# Altium PCB MB1936.PcbDoc (part 8 of 13) (continued)
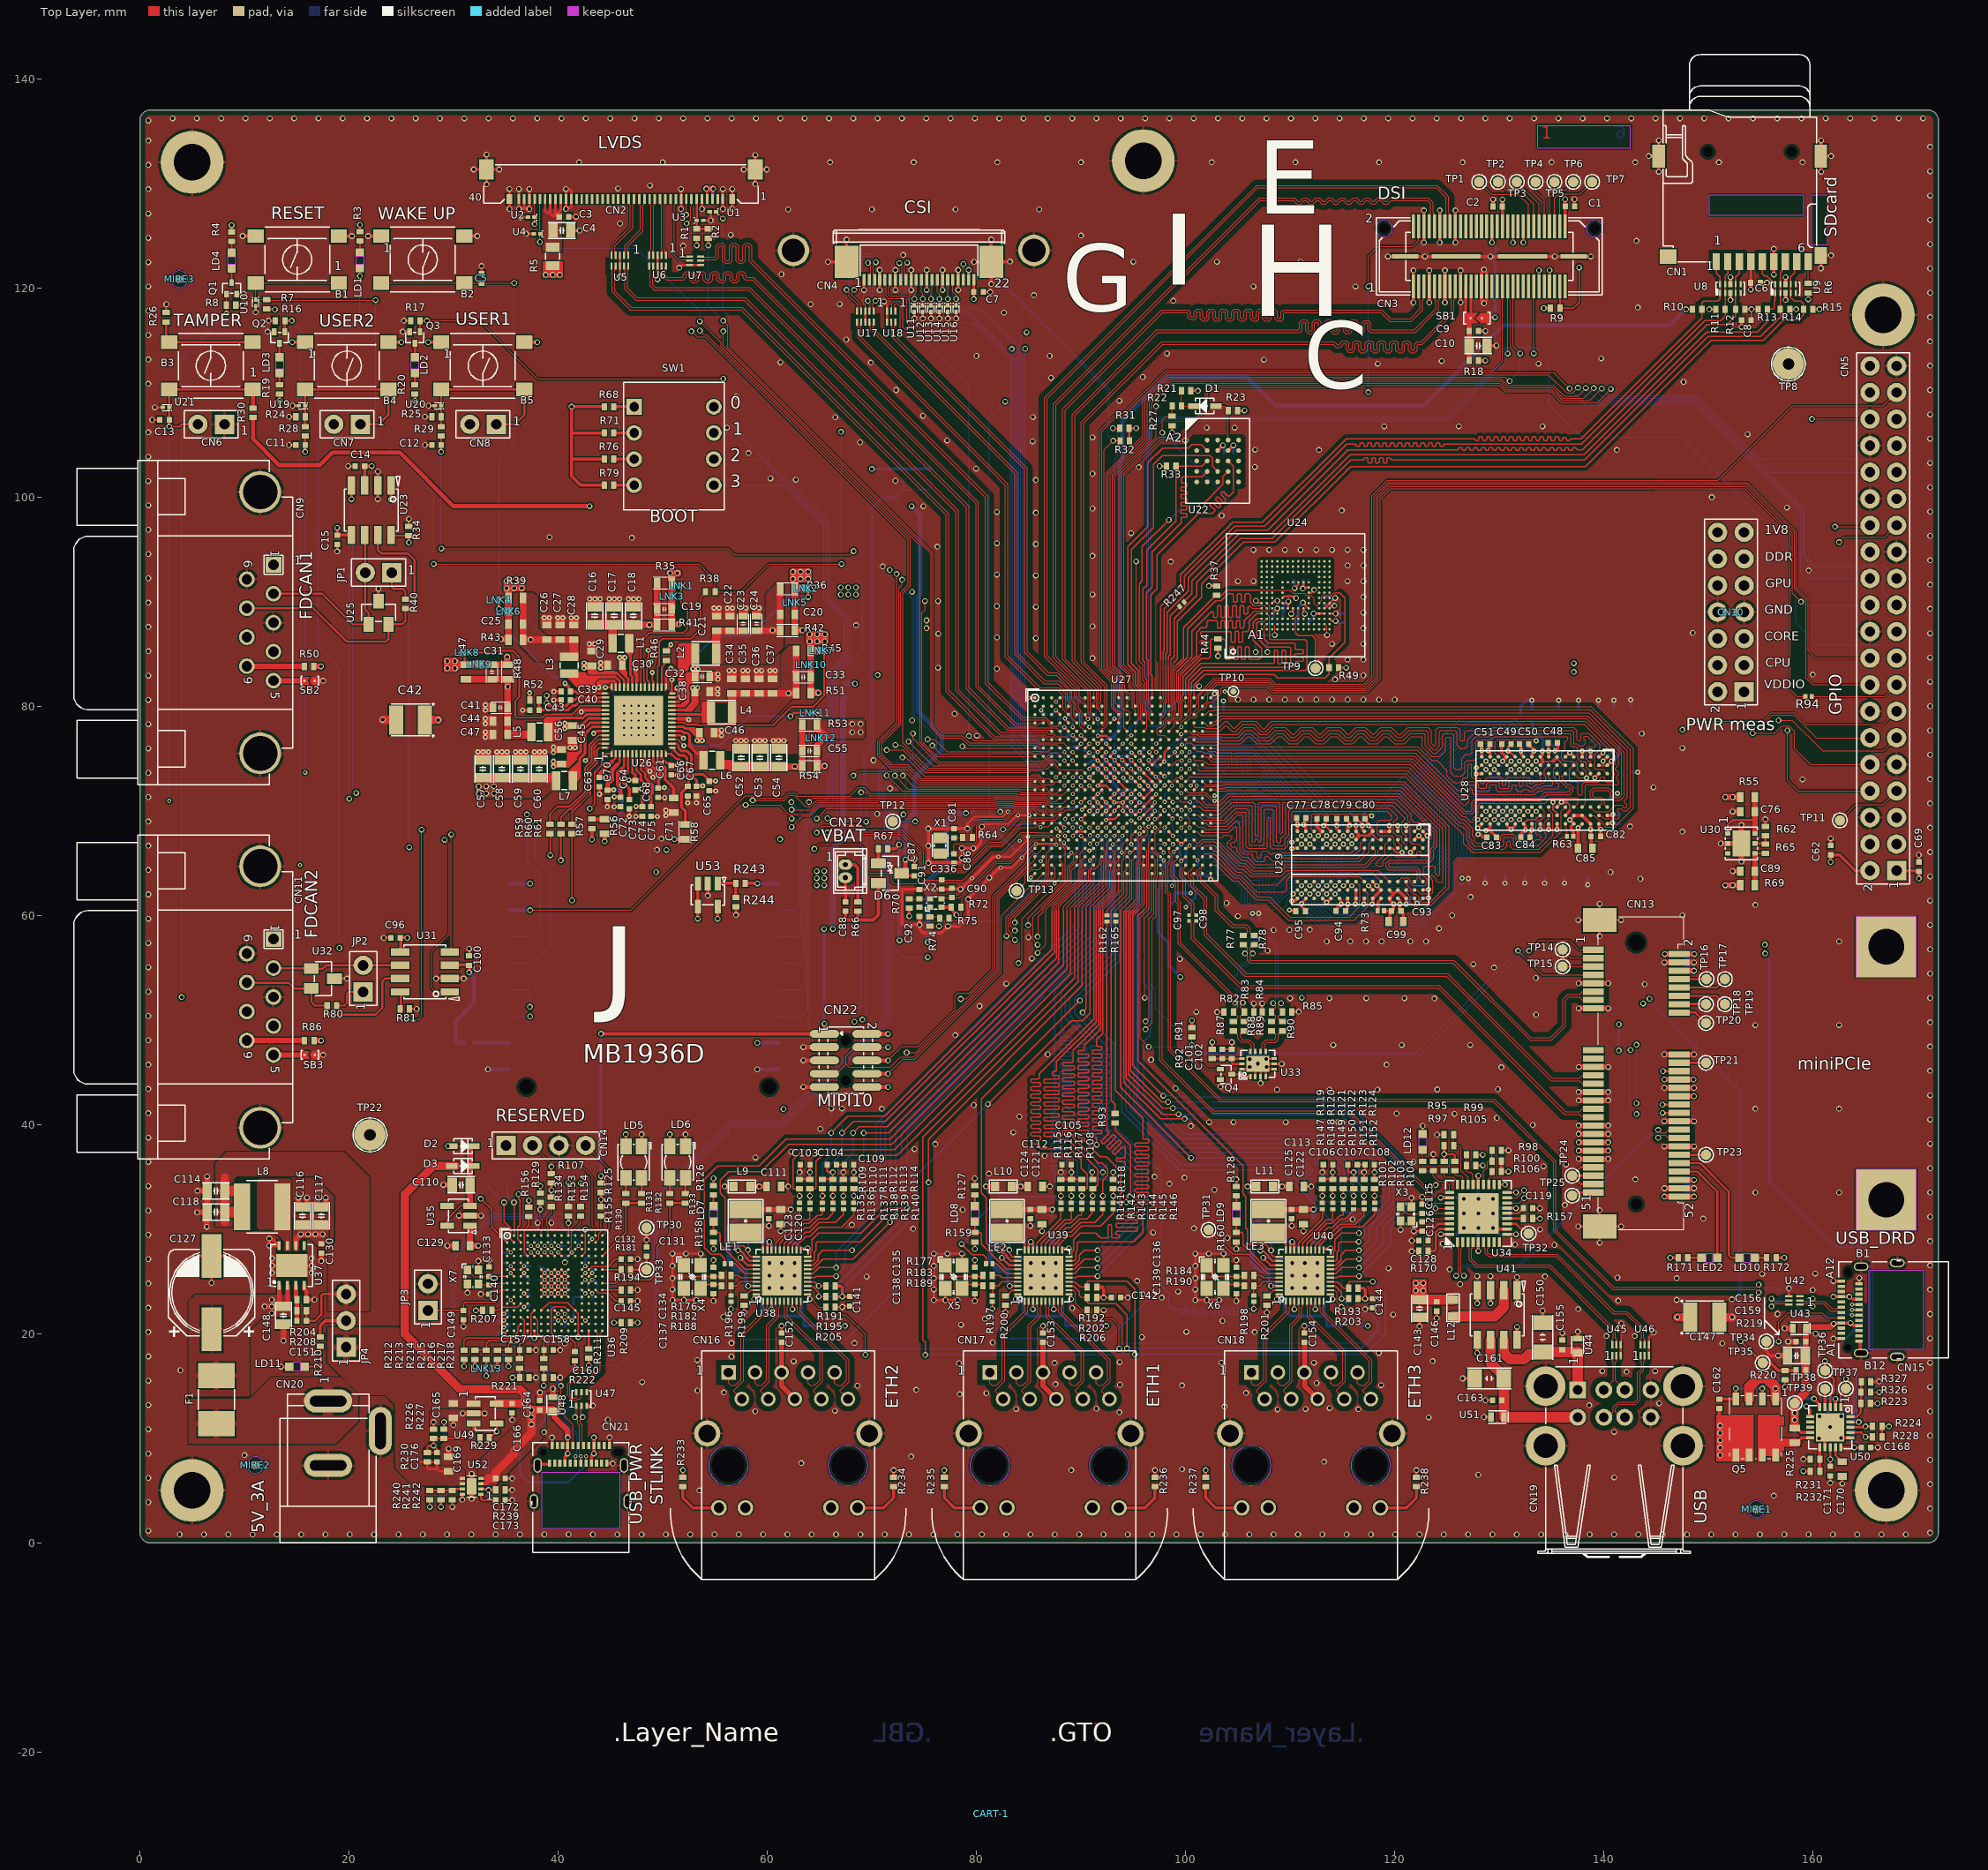
[diagram p0: Top Layer view]
## Nets (pads, with @x,y where several pads share a name; then routed paths per layer and width w, separated by ;. In a path a pad name is that pad's centre, name@x,y a point inside that pad or via, vN(x,y) a via of type N, cw(c..) or ccw(c..) an arc to the next point about the centre after c; other vN are vias at no path point) (continued)
  Top Layer w0.21: v3(43.875,81.802) 43.875,82.202 44.08,82.407 45.309,82.407 45.5,82.216 U26.41@45.5,81.797 ; 43.975,77.627 U26.52@44.53,77.627 ; 43.975,79.627 U26.47@44.53,79.627 ; U26.36@47.5,81.797 47.5,82.352 ; U26.9@48.3,75.457 48.3,74.247 v3(48.768,73.779) ; U26.10@48.7,75.457 48.7,74.561 49.335,73.926 49.335,73.547 49.07,73.283 v3(49.07,73.204) ; U26.18@50.87,77.227 51.672,77.227 v3(51.972,76.927) ; U26.22@50.87,78.827 51.425,78.827
  Top Layer w0.25: v1(1.175,107.375) C13.1@1.913,107.375 ; v1(31.925,131.32) CN2.44@33.145,131.32 ; C5.1@32.675,121.35 v1(32.675,122.088) ; v1(33.15,129.895) CN2.44@33.15,131.315 ; v1(33.15,132.745) CN2.44@33.15,131.32 ; v1(34.365,131.32) CN2.44@33.15,131.32 ; v1(35.35,127.55) CN2.43@35.35,128.5 v1(35.35,129.45) ; v1(36.25,129.45) CN2.40@36.25,128.5 v1(36.25,127.55) 36.75,127.55 ; v1(36.375,126.75) U2.2@37.113,126.75 ; CN2.39@36.75,128.5 36.75,127.55 ; v1(36.925,125.175) U4.2@37.663,125.175 ; v1(37.25,129.45) CN2.38@37.25,128.5 v1(37.25,127.55) 36.75,127.55 ; v3(42.208,79.452) 42.256,79.5 42.457,79.5 42.584,79.627 43.975,79.627 ; v3(43.388,77.39) 43.421,77.39 43.659,77.627 43.975,77.627 ; v3(47.425,83.602) 47.425,83.041 47.5,82.966 47.5,82.352 ; 51.425,78.827 52.03,78.827 ; v1(51.75,127.55) CN2.9@51.75,128.5 v1(51.75,129.45) ; v3@51.957,76.927 v3(51.972,76.927) ; v1(53.75,127.55) CN2.5@53.75,128.5 ; v1(55.75,127.55) CN2.1@55.75,128.5 v1(55.75,129.45) ; v1(56.65,127.55) CN2.42@56.65,128.5 v1(56.65,129.45) ; v1(57.75,131.32) CN2.41@58.85,131.32 ; v1(58.85,129.94) CN2.41@58.85,131.32 ; v1(58.85,132.7) CN2.41@58.85,131.32 ; v1(59.95,131.32) CN2.41@58.85,131.32 ; v1(69.25,119.8) CN4.1@69.25,120.75 ; v1(70.75,119.8) CN4.4@70.75,120.79 v1(70.75,121.7) ; v1(72.25,119.8) CN4.7@72.25,120.79 v1(72.25,121.7) ; v1(73.75,119.8) v1(73.75,121.7) ; v1(75.25,119.8) CN4.13@75.25,120.79 v1(75.25,121.7) ; v1(76.75,119.8) CN4.16@76.75,120.79 v1(76.75,121.7) ; v1(78.25,119.8) CN4.19@78.25,120.79 v1(78.25,121.7) ; C80.1@116.275,69.25 116.35,69.25 116.695,68.905 116.695,68.877 116.827,68.745 116.855,68.745 116.862,68.738 v4@116.862,68.613 ; CN2.44@33.145,131.32 CN2.44@33.15,131.315 ; CN2.44@33.145,131.32 CN2.44@33.15,131.32 ; CN2.44@33.15,131.315 CN2.44@33.15,131.32 ; v1(40.75,127.55) 40.797,127.597 41.122,127.597 41.25,127.725 CN2.30@41.25,128.5 41.25,129.275 41.122,129.403 40.797,129.403 v1(40.75,129.45) CN2.31@40.75,128.5 v1(40.75,127.55)
  Top Layer w0.3: v1(9.828,124.95) B1.4@11.073,124.95 ; v1(12.625,25.8) v1(12.625,26.5) ; v1(12.625,27.2) v1(12.625,26.5) ; U37.8@13.325,28.136 U37.8@13.325,28.4 ; v1(13.475,16.85) LD11.2@14.15,16.85 ; v1(16.425,25.8) v1(16.425,26.5) ; v1(16.425,27.2) v1(16.425,26.5) ; U32.3@18.605,53.95 v1(19.805,53.95) ; B1.3@19.023,124.95 v1(20.268,124.95) ; v1(21.828,124.95) B2.1@23.073,124.95 ; v1(22.764,99.796) U23.2@22.764,101.111 v1(22.764,102.446) ; U25.3@22.819,90.031 v1(22.819,91.231) ; v1@28.37,54.005 v1@31.02,54.005 ; v1(30.825,4.125) U52.8@30.825,4.65 ; v1(30.95,20.68) C149.1@30.95,21.325 ; B2.2@31.023,124.95 v1(32.268,124.95) ; v1(32.05,16.88) R213.2@32.05,17.525 ; v1(34.2,16.88) R215.2@34.2,17.525 ; v3(36.595,79.617) C43.2@37.255,79.617 ; CN21.SH1@38.035,7.4 38.14,7.505 39.165,7.505 CN21.B12@39.165,7.61 ; CN21.A1@39.415,9.31 v1(39.415,10.063) ; v3(39.585,80.577) C40.1@40.195,80.577 ; v3(39.585,81.402) C39.1@40.195,81.402 ; C3.1@41,126.8 v1(41.7,126.8) ; C4.1@41.2,125.475 v1(42.05,125.475) ; U47.3@42.725,13.114 v1(43.325,13.114) ; v3@43.95,71.637 C63.2@43.95,72.247 ; CN21.B1@44.665,7.61 44.665,7.598 45.202,7.598 v1(45.215,7.585) ; v3@44.7,70.432 C70.1@44.7,71.042 ; v3@44.725,70.462 C70.1@44.725,71.072 ; CN21.A12@44.915,9.31 v1(44.915,10.063) ; v3(45.365,70.377) C72.2@45.975,70.377 ; v3@46.8,69.517 C73.2@46.8,70.127 ; C64.1@47.375,72.097 v3(47.985,72.097) ; v3(47.44,69.447) C74.2@48.05,69.447 ; v1(48.45,28.975) TP30.1@48.45,30.125 ; C75.2@48.875,69.447 v3(49.485,69.447) ; C68.1@49.55,71.247 v3(50.185,71.247) ; C61.1@50.825,73.397 v3(51.435,73.397) ; v3(52.4,70.755) C66.1@52.4,71.415 ; v3(53.225,70.757) C67.1@53.225,71.417 ; v1(54.3,61.875) 54.312,61.887 U53.2@54.312,63.038 ; C65.2@54.45,71.892 v3(55.06,71.892) ; v1(57,60.025) R244.1@57,60.8 ; v1(65.8,122.475) 65.815,122.49 CN4.S1@67.58,122.49 67.58,124.62 v1(67.575,124.625) ; C88.1@67.475,61.3 CN12.2@67.475,63.6 ; R234.1@72.075,6.275 v1(72.075,6.95) ; C87.1@74.062,64.675 v1(74.062,65.375) ; C92.2@74.55,59.875 v1(74.55,59.1) ; v1(75.4,65) C86.2@77.85,65 ; 75.4,65.275 v1(75.4,66.65) v1(75.4,68.3) C81.2@77.85,68.3 v1(79.125,68.3) ; X2.2@76.648,60.776 R72.2@77.6,60.775 R72.2@77.6,60.775 77.705,60.67 77.705,60.47 78.083,60.093 v1(78.083,60.032) ; C86.2@77.955,65.105 C86.2@77.85,65 ; v1(78.475,62.5) 78.525,62.5 v2(79.575,63.55) 81.606,65.581 v2@82.081,65.581 ; v1@78.475,62.514 77.736,62.514 C90.1@77.65,62.6 77.625,62.6 77.5,62.475 76.675,62.475 76.663,62.488 76.013,62.488 v1(76,62.475) C91.1@74.55,62.475 72.875,62.475 72.875,59.1 v1(74.55,59.1) ; v1(79.775,122.475) 81.405,122.475 CN4.S2@81.42,122.49 ; v1(80.525,68.475) 80.43,68.38 80.43,66.905 79.993,66.468 79.748,66.468 v1(79.7,66.42) 79.695,66.425 v1(78.625,66.425) v1(78.625,65.5) 78.578,65.452 78.578,65.239 78.339,65 C86.2@77.85,65 ; v1@81.42,120.36 CN4.S2@81.42,122.49 ; v1@81.42,124.62 CN4.S2@81.42,122.49 ; v2(82.325,64.55) 82.306,64.531 82.156,64.531 v1(81.225,63.6) 81.225,63.575 v1(79.2,61.55) 79.225,61.525 79.225,59.85 78.325,58.95 v1(77.275,58.95) 77.25,58.95 76.625,58.325 74.925,58.325 74.563,58.687 74.563,59.087 v1(74.55,59.1) ; v1@83.185,122.49 CN4.S2@81.42,122.49 ; R236.1@97.075,6.275 v1(97.075,6.95) ; U22.B3@103.066,104.441 v1(103.566,104.941) ; v4@109.911,60.486 v4(109.925,60.5) 109.964,60.462 110.489,60.462 C95.1@110.55,60.4 ; v4@110.155,66.402 110.166,66.413 110.688,66.413 U29.T3@110.7,66.425 ; C77.1@110.625,69.3 110.663,69.263 110.663,68.688 v4(110.7,68.65) U29.T1@110.7,68.025 ; C78.1@112.55,69.25 112.55,68.498 113.023,68.025 U29.N1@113.1,68.025 v4(112.7,67.625) ; U29.N9@113.1,61.625 v4(113.5,61.225) U29.M9@113.9,61.625 ; C94.1@115.294,60.422 115.294,60.447 115.462,60.615 115.462,61.037 v4(115.5,61.075) U29.K9@115.5,61.625 ; C79.1@115.375,69.25 115.375,69.1 115.7,68.775 v4(115.7,68.6) 115.7,68.546 115.52,68.365 U29.K1@115.52,68.05 ; v4@116.862,68.613 v4(116.9,68.575) 116.9,68.225 U29.H1@117.1,68.025 ; v4(117.05,61.075) 117.1,61.125 U29.H9@117.1,61.625 ; v4(117.5,62.825) U29.G8@117.9,62.425 ; U29.F1@118.7,68.025 U29.E1@119.5,68.025 v4(119.5,68.575) ; R73.1@118.975,60.422 C93.1@119.569,60.422 ; v1(119.356,123) CN3.61@120.987,123 v1(122.9,123) CN3.62@125.875,123 v1(129.15,123) CN3.63@132.225,123 v1(135.3,123) CN3.64@137.113,123 v1(138.744,123) ; C99.1@119.425,59.4 119.55,59.525 119.55,60.3 119.9,60.65 v4(119.9,61.075) 119.52,61.456 U29.E9@119.52,61.606 ; U29.E8@119.5,62.409 119.894,62.015 119.894,62.009 ; U29.E9@119.51,61.625 119.894,62.009 ; U29.D8@120.3,62.415 119.894,62.009 ; U29.D8@120.3,62.425 U29.C9@121.1,61.625 v4(121.1,61.075) ; v1(121.8,118.6) CN3.1@121.8,120.13 v1(121.8,121.66) ; U29.B2@121.9,67.225 v4(122.3,67.625) U29.A2@122.7,67.225 ; R238.1@122.075,6.275 v1(122.075,6.95) ; v1(122.375,20.7) C143.1@122.375,21.55 ; U29.A8@122.7,62.425 v4@123.2,62.425 ; v1(122.8,124.34) CN3.6@122.8,125.87 v1(122.8,127.4) ; v1(123.3,118.6) CN3.7@123.3,120.13 v1(123.3,121.66) ; v1(124.3,124.34) CN3.12@124.3,125.87 v1(124.3,127.4) ; v1(124.8,118.6) CN3.13@124.8,120.13 v1(124.8,121.66) ; v1(125.8,124.34) CN3.18@125.8,125.87 v1(125.8,127.4) ; v1(126.3,118.6) CN3.19@126.3,120.13 v1(126.3,121.66) ; v1(126.5,15.715) C161.1@127.645,15.715 ; v4@127.787,73.505 127.797,73.515 128.32,73.515 U28.T3@128.332,73.528 ; v4(127.95,67.75) 128.175,67.75 128.475,67.45 C83.1@128.825,67.45 C83.1@128.85,67.45 ; C9.1@128.023,115.875 v1(128.673,115.875) ; C51.1@128.195,76.365 128.159,76.401 C51.1@128.295,76.401 ; C51.1@128.295,76.365 128.295,75.79 128.332,75.753 U28.T1@128.332,75.128 ; v1(128.525,12.025) U51.2@129.195,12.025 ; v1(128.55,118.51) v1@128.55,118.578 ; v1(128.55,121.75) v1@128.55,121.682 ; C10.1@128.823,114.475 v1(129.725,114.475) ; C2.1@129.4,127.775 v1(129.4,128.45) ; U34.37@129.5,30 U34.11@130.75,30 ; C49.1@130.225,76.375 130.225,75.575 130.65,75.15 U28.N1@130.725,75.15 v4(130.325,74.75) ; U28.N9@130.725,68.75 130.735,68.74 130.735,68.59 v4(131.125,68.2) ; v4@131.125,68.297 v4(131.125,68.2) ; U28.M9@131.525,68.75 131.525,68.6 v4(131.125,68.2) ; v1(131.7,22.9) U41.1@131.7,24.15 v1(131.7,25.4) ; C50.1@132.825,76.325 132.825,76.3 133.294,75.832 133.294,75.741 133.332,75.703 133.332,75.649 133.151,75.468 U28.K1@133.151,75.153 ; C84.1@132.95,67.45 132.95,67.893 133,67.943 133,68.05 v4(133.1,68.15) 133.125,68.175 U28.K9@133.125,68.75 ; C150.1@134.15,21.05 v1(134.15,22.195) ; C48.1@134.675,76.375 134.675,75.75 v4(134.725,75.7) U28.H1@134.725,75.15 ; v4(134.7,68.2) 134.7,68.725 U28.H9@134.725,68.75 ; U28.F1@136.325,75.15 v4(136.725,75.55) U28.E1@137.132,75.143 ; R63.1@137.075,67.55 137.075,68.025 136.9,68.2 136.9,68.525 U28.E9@137.125,68.75 v4(136.75,69.125) 137.125,69.5 U28.E8@137.125,69.55 U28.D8@137.925,69.55 U28.C9@138.725,68.75 v4(138.725,68.2) 138.725,67.6 C82.1@138.775,67.55 138.793,67.533 138.793,66.558 C85.1@138.925,66.425 ; C1.1@137.2,127.796 v1(137.2,128.471) ; U44.2@137.5,19.525 v1(137.5,20.195) ; U28.A8@140.325,69.55 140.325,69.526 140.631,69.526 140.729,69.623 140.874,69.623 v4(140.875,69.625) ; U28.A2@140.325,74.35 v4(140.725,74.75) ; v1(144.3,132.6) CN1.12@145.25,132.6 ; v1(145.25,131.1) CN1.12@145.25,132.6 ; v1(145.25,134.1) CN1.12@145.25,132.625 ; v1(152.1,118.84) U8.3@152.1,119.52 ; U8.8@152.1,120.34 v1(152.1,121.02) ; v1(153.175,116.245) C8.1@153.175,116.925 ; C6.1@154.95,120.48 v1(155.6,120.48) ; R62.1@155.455,68.5 v1(155.455,69.175) ; TP34.1@155.546,19.25 155.546,18.296 155.943,17.9 v1(156.675,17.9) ; v1(156.25,121.27) CN1.6@156.25,122.5 v1(156.25,123.73) ; v1(157.375,118.84) U9.3@157.375,119.52 ; U9.8@157.375,120.34 v1(157.375,121.02) ; v1(160.75,121.87) CN1.10@160.75,123.1 v1(161.725,123.1) ; v1(160.775,131.1) CN1.11@160.775,132.575 ; v1(160.775,134.1) CN1.11@160.775,132.6 ; U50.12@161.15,9.125 161.15,10.575 v1(161.637,11.063) ; C62.1@161.7,66.675 v1(161.7,67.35) ; v1(161.725,132.6) CN1.11@160.775,132.6 ; v1(161.947,19.525) CN15.A1@162.7,19.525 ; v1(161.947,25.025) CN15.A12@162.7,25.025 ; v1(162.687,10.012) 162.725,10.05 U50.16@163.575,10.05 ; CN15.B12@164.4,19.275 164.505,19.17 164.505,18.25 CN15.SH1@164.61,18.145 ; CN15.B1@164.4,24.775 164.412,24.775 164.412,25.312 v1(164.425,25.325) ; R327.1@165.525,15.4 165.537,15.413 166.312,15.413 v1(166.325,15.425) ; C69.2@170.125,65.1 v1(170.125,65.775) ; v1(12.625,26.5) U37.9@14.525,26.5 v1(16.425,26.5) ; U37.8@13.325,28.4 13.325,28.652 13.048,28.652 12.648,29.052 12.423,29.052 v1(12.375,29.1) v1(12.375,28.4) U37.8@13.325,28.4 ; v1@128.55,118.578 128.3,118.828 CN3.27@128.3,120.13 128.3,121.432 v1@128.55,121.682 ; v1@128.55,118.578 128.8,118.828 CN3.29@128.8,120.13 128.8,121.432 v1@128.55,121.682 ; CN1.12@145.25,132.6 CN1.12@145.25,132.625 ; CN1.12@145.25,132.6 145.275,132.6 CN1.12@145.25,132.625 ; CN1.11@160.775,132.575 CN1.11@160.775,132.6 ; CN1.11@160.775,132.575 CN1.11@160.75,132.6 CN1.11@160.775,132.6
  Top Layer w0.4: U37.4@15.725,24.6 15.725,24.25 15.925,24.05 R204.1@15.925,23.25 v1(16.7,23.25) ; v1(63.45,43.59) 63.455,43.585 CN22.9@65.465,43.585 ; v1(63.45,46.13) 63.455,46.125 CN22.5@65.465,46.125 ; v1(63.45,47.4) 63.455,47.395 CN22.3@65.465,47.395
  Top Layer w0.5: SB2.1@16.722,82.425 v1(17.522,82.425) ; SB3.1@16.725,46.65 v1(17.525,46.65) ; v1(29.025,34.225) C110.1@29.875,34.225 ; v1(29.395,28.4) C129.1@30.17,28.4 ; C169.1@29.52,8.225 v1(29.52,9) ; v1(30.52,31.275) U35.2@31.57,31.275 v1(32.62,31.275) ; v1(30.875,12.375) U49.2@31.925,12.375 v1(32.975,12.375) ; v1(31.725,4.2) U52.9@31.725,5.4 v1(31.725,6.6) ; v1(137.587,36.7) CN13.43@139,36.7 v1(140.412,36.7) ; v1(137.587,39.1) CN13.37@139,39.1 v1(140.412,39.1) ; v1(137.587,39.9) CN13.35@139,39.9 v1(140.412,39.9) ; v1(137.587,42.3) CN13.29@139,42.3 v1(140.412,42.3) ; v1(137.587,43.1) CN13.27@139,43.1 v1(140.412,43.1) ; v1(137.587,51.1) CN13.15@139,51.1 v1(140.412,51.1) ; v1(137.587,53.5) CN13.9@139,53.5 v1(140.412,53.5) ; v1(137.6,45.5) CN13.21@139,45.5 v1(140.425,45.5) ; v1(145.787,33.9) CN13.50@147.2,33.9 v1(148.612,33.9) ; v1(145.787,37.9) CN13.40@147.2,37.9 v1(148.612,37.9) ; v1(145.787,40.3) CN13.34@147.2,40.3 v1(148.612,40.3) ; v1(145.787,43.5) CN13.26@147.2,43.5 v1(148.612,43.5) ; v1(145.787,46.7) CN13.18@147.2,46.7 v1(148.612,46.7) ; v1(145.787,55.5) CN13.4@147.2,55.5 v1(148.612,55.5) ; v1(151.18,66.875) U30.2@151.855,66.875 U30.EP@153.155,66.875 ; v1(152.309,69.925) C76.1@153.05,69.925 ; v1(152.314,64.225) C89.1@153.055,64.225 ; v1(153.155,65.125) U30.EP@153.155,66.875 ; v1(153.155,68.625) U30.EP@153.155,66.875
  Top Layer w0.55: v1(5.475,31.6) C118.1@6.4,31.6 ; v1(5.5,33.65) C114.1@6.425,33.65 ; v1(6.4,30.225) C118.1@6.4,31.6 ; v1(6.425,35.025) C114.1@6.425,33.65 ; C114.1@6.45,33.675 C114.1@6.425,33.65 ; v1(13.725,19.325) C148.1@13.725,20.9 ; C116.1@15.15,32.1 v1(15.15,33) ; C116.1@15.975,32.1 v1(15.975,33) ; C117.1@16.95,32.1 v1(16.95,33) ; v1(17.35,26.95) C130.1@17.35,27.65 ; C117.1@17.775,32.1 v1(17.775,33) ; C164.2@38.25,13.6 v1(38.25,14.375) ; U48.2@39.5,13.925 v1(39.5,14.725) ; v1(156.675,17.9) C159.1@157.575,17.9 ; v1(157.275,20.5) U43.2@158.075,20.5 ; v1(157.625,19.25) C156.1@158.4,19.25 ; C118.1@6.4,31.6 C118.1@6.425,31.625 C114.1@6.425,33.65
  Top Layer w0.8: v1(23.225,78.7) 24.475,78.7 C42.2@24.5,78.675 ; C147.2@151.025,21.575 v1(152.275,21.575)
  Bottom Layer w0.1: C231.1@92.35,70.327 C231.1@92.35,70.45
  Bottom Layer w0.15: C212.1@89.65,73.775 89.65,73.381 89.6,73.331 89.6,72.799 v2(90,72.4)
  Bottom Layer w0.2: C329.2@34.225,21.05 34.425,21.25 v2(34.8,21.25) ; v2(34.8,21.9) 35.175,21.9 C328.2@35.375,21.7 ; C297.2@34.8,26.85 35.2,26.45 v2(35.45,26.45) ; v2(36.75,22.55) 37.175,22.55 C324.2@37.325,22.7 ; C289.2@36.75,27.5 37.15,27.5 v2(37.4,27.75) ; C282.2@38.05,29.925 v1(38.05,30.6) ; C303.2@38.125,25.15 v2(38.7,25.15) ; C299.2@38.25,26.45 38.25,26.425 38.405,26.27 38.583,26.27 38.7,26.153 v2(38.7,25.8) ; C327.2@39.3,22.15 39.3,22.65 ; C281.2@39.35,29.925 v1(39.35,30.6) ; v1(40.65,19.05) C333.2@40.65,19.725 ; v2(40.65,24.5) 40.875,24.275 C311.2@41.2,24.275 ; v1(40.65,26.825) C290.2@40.65,27.5 ; C326.2@41.455,22.8 41.455,23.3 ; 41.578,23.505 42.07,23.505 42.17,23.405 42.195,23.405 42.35,23.25 C325.2@42.35,23.225 ; v2(42.6,25.15) 42.85,24.9 C310.2@42.85,24.5 ; v2(42.6,26.45) 42.6,27.158 42.717,27.275 C298.2@43.25,27.275 ; C314.1@59.445,24.02 59.87,24.02 v1(60.2,24.35) ; C306.1@59.7,24.95 60.325,24.95 ; C323.1@60.8,23.825 60.8,24.45 ; 60.8,26.625 C296.1@60.8,27.25 ; v1(61.365,20.75) C332.1@62.125,20.75 ; C322.1@62,23.825 62,24.45 ; R305.1@63.075,34.75 v1(63.075,35.425) ; 63.2,26.625 C295.1@63.2,27.25 ; C317.1@63.25,23.95 63.25,24.575 ; C309.1@64.075,24.9 64.075,25.525 ; R293.1@66.125,40.85 v1(66.125,41.525) ; R292.1@67.15,40.85 v1(67.15,41.525) ; v1(67.275,35.425) 67.275,34.867 67.392,34.75 R303.1@68.075,34.75 ; C313.1@84.445,24.02 84.87,24.02 v1(85.2,24.35) ; C305.1@84.7,24.95 85.325,24.95 ; C321.1@85.8,23.825 85.8,24.45 ; 85.8,26.625 C294.1@85.8,27.25 ; v1(86.365,20.75) C331.1@87.125,20.75 ; C320.1@87,23.825 87,24.45 ; C244.1@87.375,69.425 87.375,69.075 87.65,68.8 87.9,68.8 88.3,68.4 v2(88.4,68.4) ; v2(87.6,80.42) 88.03,80.85 88.825,80.85 ; C192.1@87.8,78.1 87.862,78.038 88.362,78.038 v2(88.4,78) 88.405,77.996 88.405,77.854 88.205,77.655 88.18,77.655 88.163,77.655 88.075,77.567 C194.1@88.075,77.2 ; R302.1@88.075,34.75 v1(88.075,35.425) ; 88.2,26.625 C293.1@88.2,27.25 ; C316.1@88.25,23.95 88.25,24.575 ; R251.2@88.825,80.3 88.825,80.85 ; C235.1@88.9,70.125 89.075,70.3 C234.1@89.575,70.3 89.625,70.3 89.962,70.636 89.962,70.761 v2(90,70.8) ; C308.1@89.075,24.9 89.075,25.525 ; C225.1@89.7,71.8 89.8,71.9 89.8,72.147 90,72.346 v2(90,72.4) ; C201.1@89.717,75.842 89.717,76.117 ; C201.1@89.75,75.825 89.75,76.084 89.717,76.117 ; R250.2@89.875,80.3 89.875,80.75 89.775,80.85 88.825,80.85 ; R296.1@90.15,34.75 R295.1@91.125,34.75 R294.1@92.075,34.75 ; C196.1@90.575,76.925 90.525,76.925 v2(90,76.4) 89.725,76.125 89.717,76.117 ; C190.1@91.425,79.375 91.425,78.955 91.6,78.781 v2(91.6,78.775) ; C271.1@91.675,36.15 91.675,36.125 91.83,35.97 91.855,35.97 92.031,35.794 ; v1(92.075,35.425) R294.1@92.075,34.75 ; v1@92.086,35.436 92.086,35.761 92.295,35.97 92.32,35.97 92.475,36.125 C270.1@92.475,36.15 ; R300.1@93.075,34.75 R294.1@92.075,34.75 ; v2(93.201,75.6) C195.1@93.201,76.4 ; C246.1@96.75,67.8 96.75,67.75 96.45,67.45 R274.2@96.45,66.825 96.45,66.225 96.775,65.9 97.3,65.9 97.35,65.95 97.444,65.95 97.456,65.962 97.721,65.962 97.862,65.962 v2(97.9,66) ; v1(106.7,85.175) C181.1@106.7,85.9 ; v1(107.825,85.175) C182.1@107.825,85.9 ; C312.1@109.445,24.02 109.87,24.02 v1(110.2,24.35) ; C304.1@109.7,24.95 110.325,24.95 ; C319.1@110.8,23.825 110.8,24.45 ; 110.8,26.625 C292.1@110.8,27.25 ; v1(111.365,20.75) C330.1@112.125,20.75 ; C318.1@112,23.825 112,24.45 ; R299.1@113.075,34.75 v1(113.075,35.425) ; 113.2,26.625 C291.1@113.2,27.25 ; C315.1@113.25,23.95 113.25,24.575 ; C307.1@114.1,24.9 114.1,25.525 ; R307.1@115.075,31.6 R306.1@116.075,31.6 ; v1(117.075,35.425) 117.075,34.867 117.192,34.75 R297.1@118.075,34.75
  Bottom Layer w0.25: C174.1@55.725,128.725 55.725,129.425 v1(55.75,129.45)
  Bottom Layer w0.3: R322.1@59.05,27.2 59.875,27.2 ; C280.2@59.325,30.3 v1(60.15,30.3) ; C302.1@59.35,26.025 60.175,26.025 ; 62.075,26.625 C288.1@62.075,27.45 ; R305.1@63.075,34.75 R304.1@64.075,34.75 ; v1(71.725,72.125) R96.2@72.375,72.125 ; R321.1@84.05,27.2 84.875,27.2 ; C279.2@84.325,30.3 v1(85.15,30.3) ; C301.1@84.35,26.025 85.175,26.025 ; v2(86.194,79.6) 86.2,79.6 C191.1@86.625,79.175 ; C250.1@87.025,66.15 87.025,66.575 87.2,66.75 v2(87.65,66.75) ; 87.075,26.625 C287.1@87.075,27.45 ; R302.1@88.075,34.75 R301.1@89.075,34.75 ; v2(88.37,66.944) 88.375,66.938 C248.1@88.375,66.4 ; C197.1@89.2,76.125 89.725,76.125 v2(90,76.4) ; C205.1@90.5,74.5 90.725,74.5 91.025,74.8 C207.1@91.2,74.8 v2(91.6,74.8) ; C241.2@90.925,69.6 90.925,69.85 v2(90.8,69.975) 90.925,70.1 C233.2@90.925,70.388 90.925,70.675 v2(90.8,70.8) 90.925,70.925 C228.1@90.925,71.2 ; C271.1@91.553,36.28 91.57,36.28 91.675,36.175 C271.1@91.675,36.15 ; v2(91.6,72.4) 91.725,72.275 C221.1@92.025,72.275 ; C193.1@91.6,78.25 v2@91.6,78.775 ; C214.1@92.1,73.65 92.1,73.7 v2(92.4,74) ; C231.1@92.35,70.327 92.381,70.296 92.381,70.021 92.4,70.002 v2(92.4,69.975) ; C231.1@92.35,70.45 92.375,70.475 92.375,70.748 92.4,70.773 v2(92.4,70.8) ; v2@92.4,69.948 92.425,69.923 92.425,69.605 C240.1@92.475,69.555 ; v2@92.525,69.216 C240.1@92.525,69.6 ; C204.2@92.825,75.25 92.825,75.4 93.025,75.6 v2(93.201,75.6) ; C210.1@93.101,74.475 93.101,74.725 93.351,74.975 93.351,75.45 v2(93.201,75.6) ; v2(93.2,73.175) 93.175,73.175 93.1,73.1 C219.2@93.1,72.825 93.1,72.55 93.225,72.425 93.304,72.425 93.45,72.279 93.45,72.2 93.575,72.075 C223.1@93.575,72 ; 93.65,71.775 93.825,71.6 v2(94,71.6) ; C199.1@93.775,75.875 93.476,75.875 v2(93.201,75.6) ; C213.1@93.876,73.65 93.876,73.875 v2(94.001,74) ; C222.1@94.125,72 94,71.875 v2(94,71.6) ; C220.1@94.675,72.775 95.201,72.775 v2(95.601,72.375) 95.625,72.375 C224.1@96.026,71.974 ; C220.1@94.676,72.825 94.676,73.075 94.751,73.15 v2(94.801,73.15) ; C208.1@94.7,74.48 94.7,74.718 v2(94.832,74.85) ; C242.1@94.75,69.575 94.8,69.625 v2(94.8,70) ; C215.2@95.507,73.625 95.507,73.9 v2(95.607,74) ; v2@95.607,73.999 C216.1@96.081,73.524 ; v2@95.607,75.6 95.607,75.575 95.907,75.875 C200.2@96.075,75.875 ; v2(95.625,70) v2(94.8,70) ; v2@95.625,70.025 95.75,70.15 C230.2@96.675,70.15 96.7,70.125 96.961,70.125 97.05,70.036 v2(97.05,70) 96.65,69.6 96.55,69.6 96.5,69.55 96.5,69.327 96.4,69.227 v2(96.4,69.2) ; C209.1@96.438,74.513 96.475,74.55 v2(96.475,74.85) 96.9,74.85 96.95,74.9 96.95,74.523 R262.1@97.324,74.149 ; C218.1@96.649,72.831 96.649,72.849 96.624,72.874 96.632,72.875 96.925,72.582 96.925,72.575 v2(97.125,72.375) 97.145,72.394 97.245,72.394 C217.1@97.5,72.65 ; C227.1@96.65,71.275 96.875,71.275 v2(97.175,71.575) ; v2@97.2,70 97.25,69.95 C237.1@97.45,69.95 ; 98.65,61.1 98.65,61.125 98.755,61.23 98.78,61.23 98.95,61.4 R287.2@98.95,62.075 99,62.125 v2(100.5,62.125) ; v2(98.7,62.825) 98.7,62.835 98.85,62.985 C253.1@98.85,65 ; C260.1@100.05,64.675 C252.1@100.05,65.675 100.05,66.2 C249.1@99.925,66.325 100.256,66.656 v2@100.381,66.656 ; R285.1@101.2,63.8 102.05,63.8 v4(102.4,63.45) ; C189.1@102.72,79.846 102.72,81.145 v4@102.75,81.175 ; v1(103.566,104.941) 103.666,104.841 C175.1@103.666,104.216 ; v4(107,60.175) 107,59.675 C264.1@107.15,59.525 ; C180.1@108.4,88.475 108.4,89.049 108.643,89.292 108.727,89.292 v1(108.775,89.34) ; R320.1@109.05,27.2 109.875,27.2 ; C278.1@109.325,30.3 v1(110.15,30.3) ; C300.1@109.35,26.025 110.175,26.025 ; C177.1@110.35,92.025 110.425,91.95 v1(110.425,91.275) ; 112.075,26.625 C286.1@112.075,27.45 ; R299.1@113.075,34.75 R298.1@114.075,34.75 ; C178.1@113.275,90.45 113.279,90.446 113.829,90.446 113.9,90.375 114.275,90.375 v1(114.3,90.35) ; v1(114.35,88.85) 115.15,88.85 C179.1@115.225,88.925 ; v1(115.975,30.925) 116.006,30.956 116.006,31.531 R306.1@116.075,31.6 ; v4(116.9,68.575) 116.9,69.6 C236.1@117.098,69.798 ; v4(121.1,61.075) 121.1,61.15 C262.1@121.7,61.75 ; C247.1@121.675,66.975 v4@122.3,67.6 ; v4(122.3,67.625) v4@122.3,67.6 ; C245.1@122.975,68.25 122.95,68.25 v4@122.3,67.6 ; C284.1@125.925,29.5 125.925,29.525 126.03,29.63 126.299,29.63 126.552,29.883 126.552,30.052 v1(126.6,30.1) ; C275.1@125.925,33 126.5,33 v1(126.6,32.9) ; v4(127.05,63.525) 127.05,63.05 C261.1@127.2,62.9 ; R324.1@127.89,24.675 v1(127.89,25.5) ; C285.1@128,29.425 v1(128,30.1) ; v1(128,32.9) C273.1@128,33.575 ; v4(128.65,63.075) C259.1@128.65,63.7 ; R323.1@129.16,24.675 v1(129.16,25.5) ; v1(129.4,30.1) 130,29.5 C283.1@130.075,29.5 ; C277.1@130.075,31.125 130.075,31.15 129.97,31.255 129.701,31.255 129.456,31.5 v1(129.4,31.5) 129.448,31.548 129.448,31.617 129.701,31.87 129.97,31.87 130.075,31.975 C276.1@130.075,32 ; v4(130.55,63.075) C258.1@130.55,63.7 ; R252.1@132.025,79.3 132.025,79.975 132.575,80.525 133.075,80.525 v4(133.1,80.55) 133.113,80.538 133.113,79.838 C188.1@133.125,79.825 ; v4(132.45,63.075) C257.1@132.45,63.7 ; v4(134.35,63.075) C256.1@134.35,63.7 ; C187.1@135.675,79.925 v4(135.675,80.55) ; v4(136.25,63.075) C255.1@136.25,63.7 ; C186.1@137.575,79.925 v4(137.575,80.55) ; v1(137.587,36.7) 137.687,36.8 C269.1@138.25,36.8 ; v4(138.45,62.925) C254.1@138.45,63.65 ; C185.1@139.475,79.925 v4(139.475,80.55) ; C268.2@139.75,39 140.313,39 v1(140.412,39.1) ; C239.1@140.25,69.55 140.85,69.55 140.875,69.575 141.475,69.575 C238.1@141.525,69.625 ; C226.1@140.55,71.25 140.648,71.347 141.025,71.347 141.3,71.623 v4(141.3,71.675) ; v4(140.725,74.75) 140.764,74.788 140.839,74.788 141.345,75.295 141.37,75.295 141.475,75.4 C202.1@141.475,75.425 ; C184.1@140.925,79.925 140.95,79.95 v4(140.95,80.575) ; C202.1@141.45,75.425 141.45,76.1 C198.1@141.513,76.163 ; C183.1@142.575,79.95 v4(142.575,80.6) ; C211.1@142.625,73.675 v4(143.25,73.675) ; C274.2@147.9,33.55 148.262,33.55 v1(148.612,33.9) 148.262,34.25 C272.2@147.9,34.25 ; C266.2@147.9,55.15 148.262,55.15 v1(148.612,55.5) 148.262,55.85 C265.2@147.9,55.85 ; C267.2@147.95,43.4 148.513,43.4 v1(148.612,43.5) ; 161.45,12.113 C335.2@161.45,12.85 ; v1(162.712,12.113) 162.85,12.25 C334.2@162.85,12.85 ; v2(94,71.6) v2(94.8,70.8) 94.725,70.725 C232.1@94.725,70.425 94.725,70.075 v2(94.8,70)
  Bottom Layer w0.4: v1(33.28,45.265) 33.285,45.26 CN25.9@35.295,45.26 ; v1@59.045,45.26 CN25.8@61.055,45.26